# Altium PCB Thunder-Refix.PcbDoc
Units mil, origin at the board's own origin, x right, y up, seen from the top; angles counter-clockwise.
Board outline 1535.43 x 1299.21 mil, 2 copper layers (Top Layer, Bottom Layer), stack 42.17 mil thick; 71 components, 67 nets, 321 pads, 95 vias.
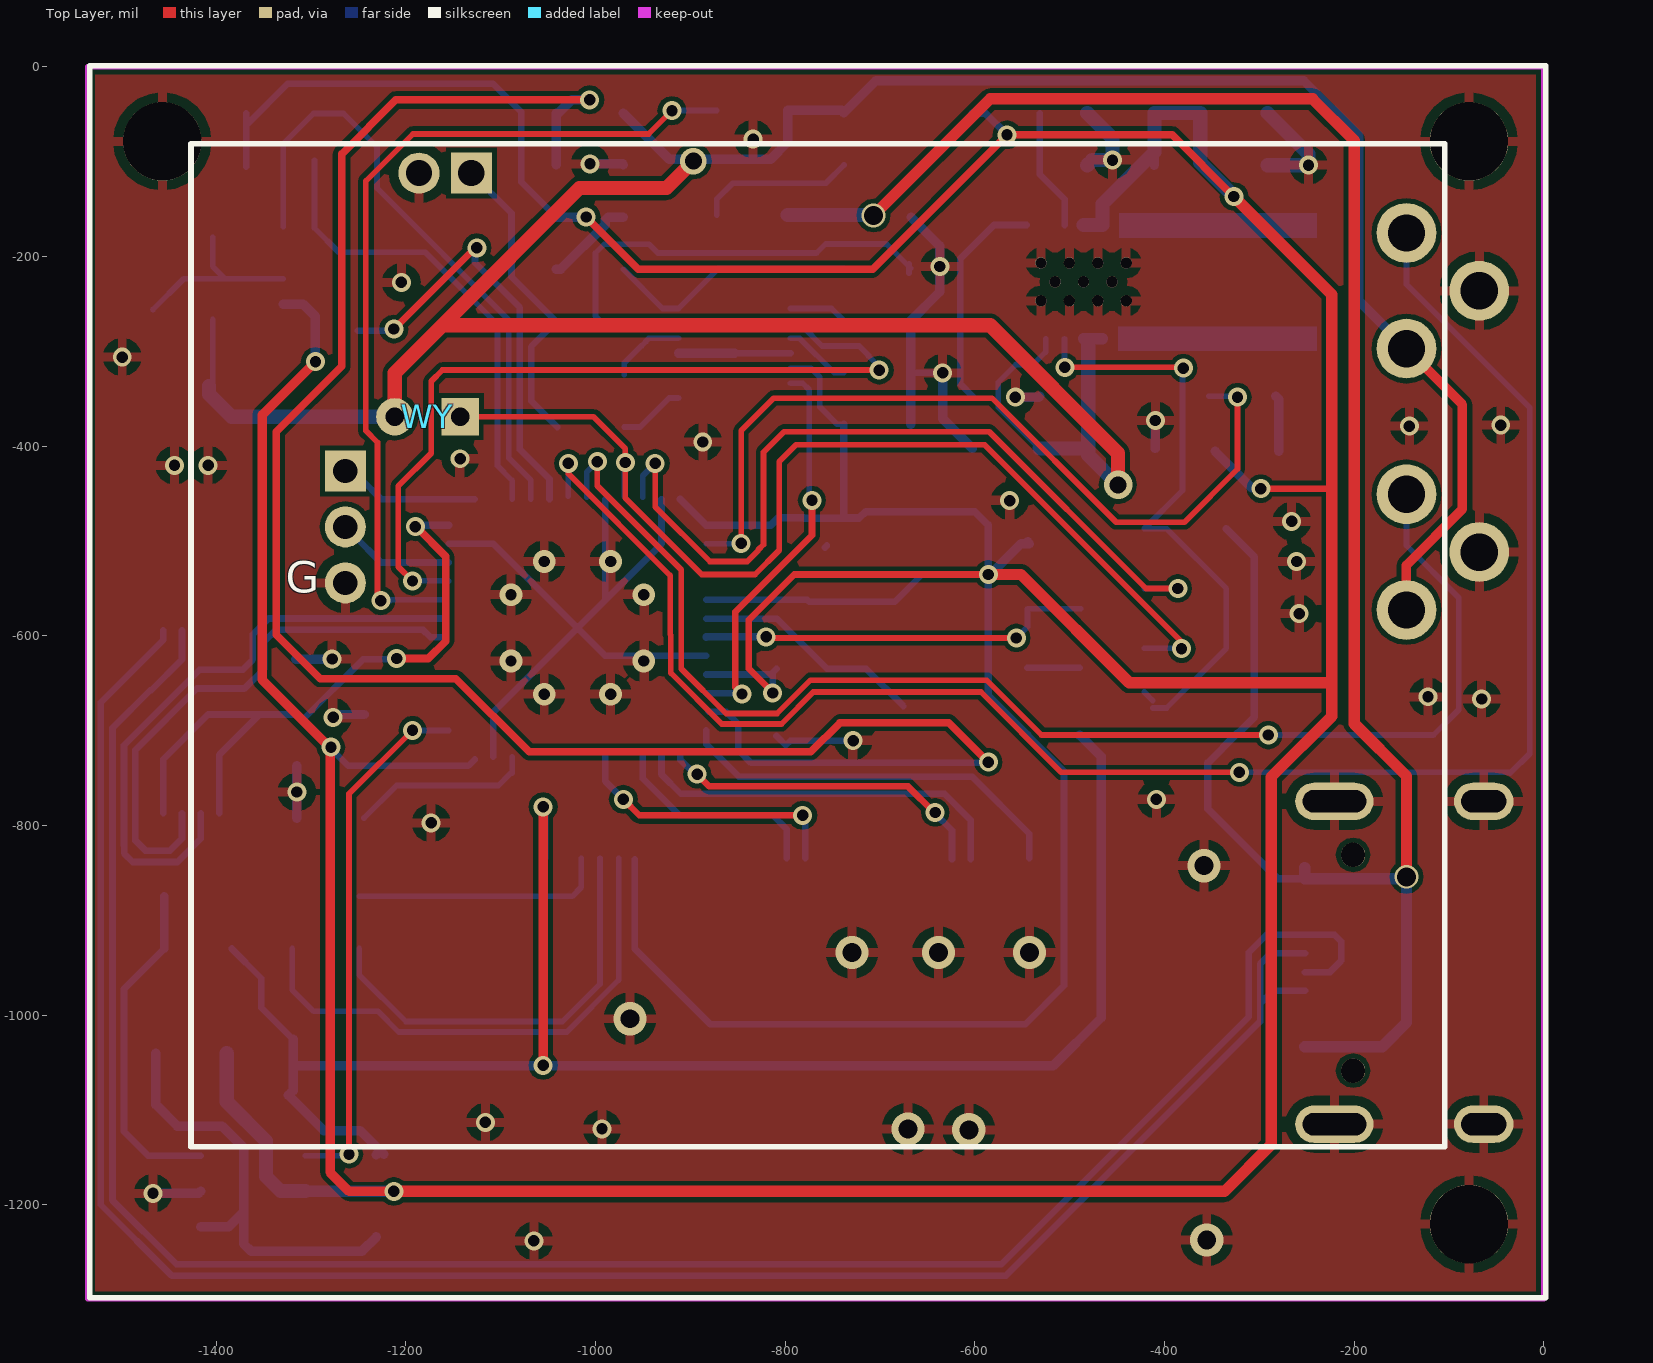
[diagram p0: Top Layer view]
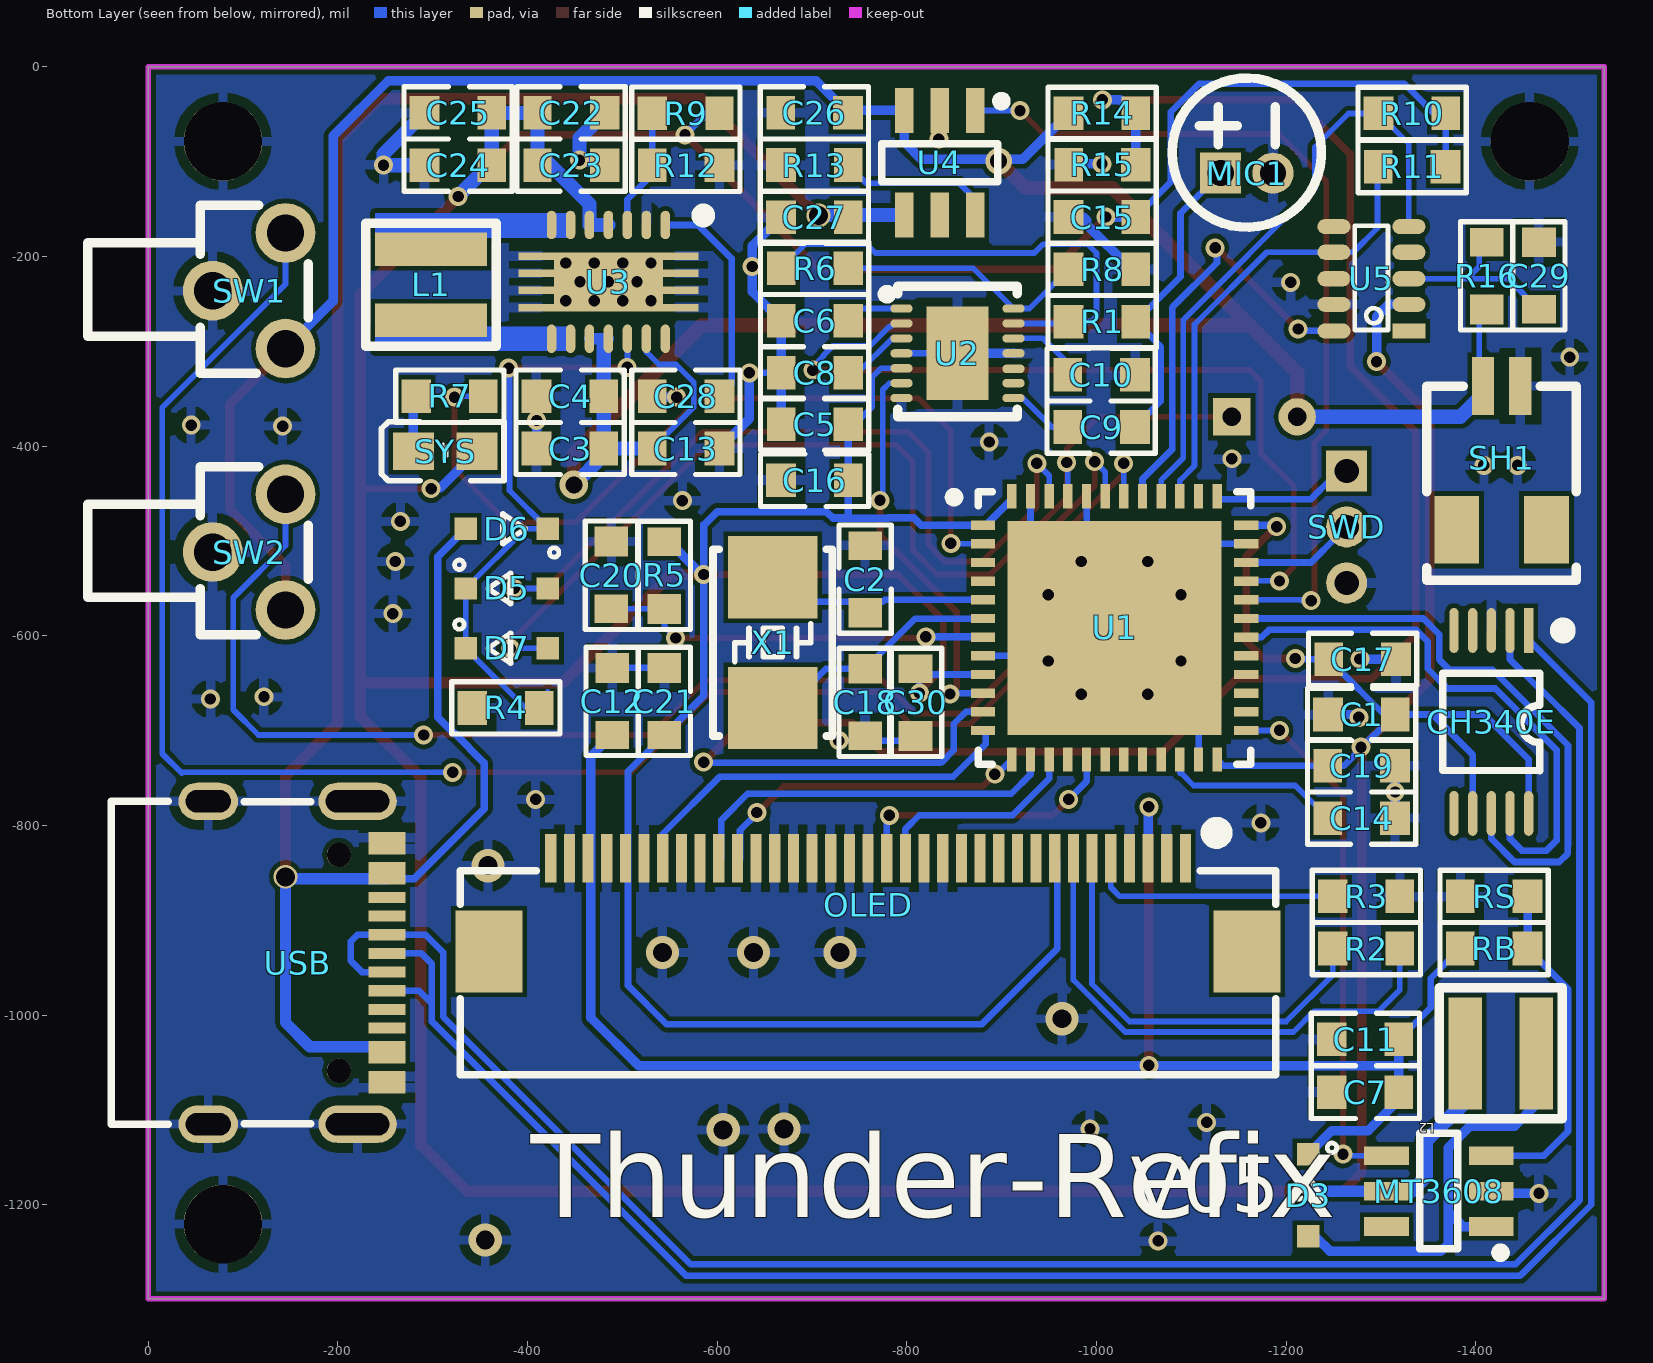
[diagram p1: Bottom Layer view, seen from below]
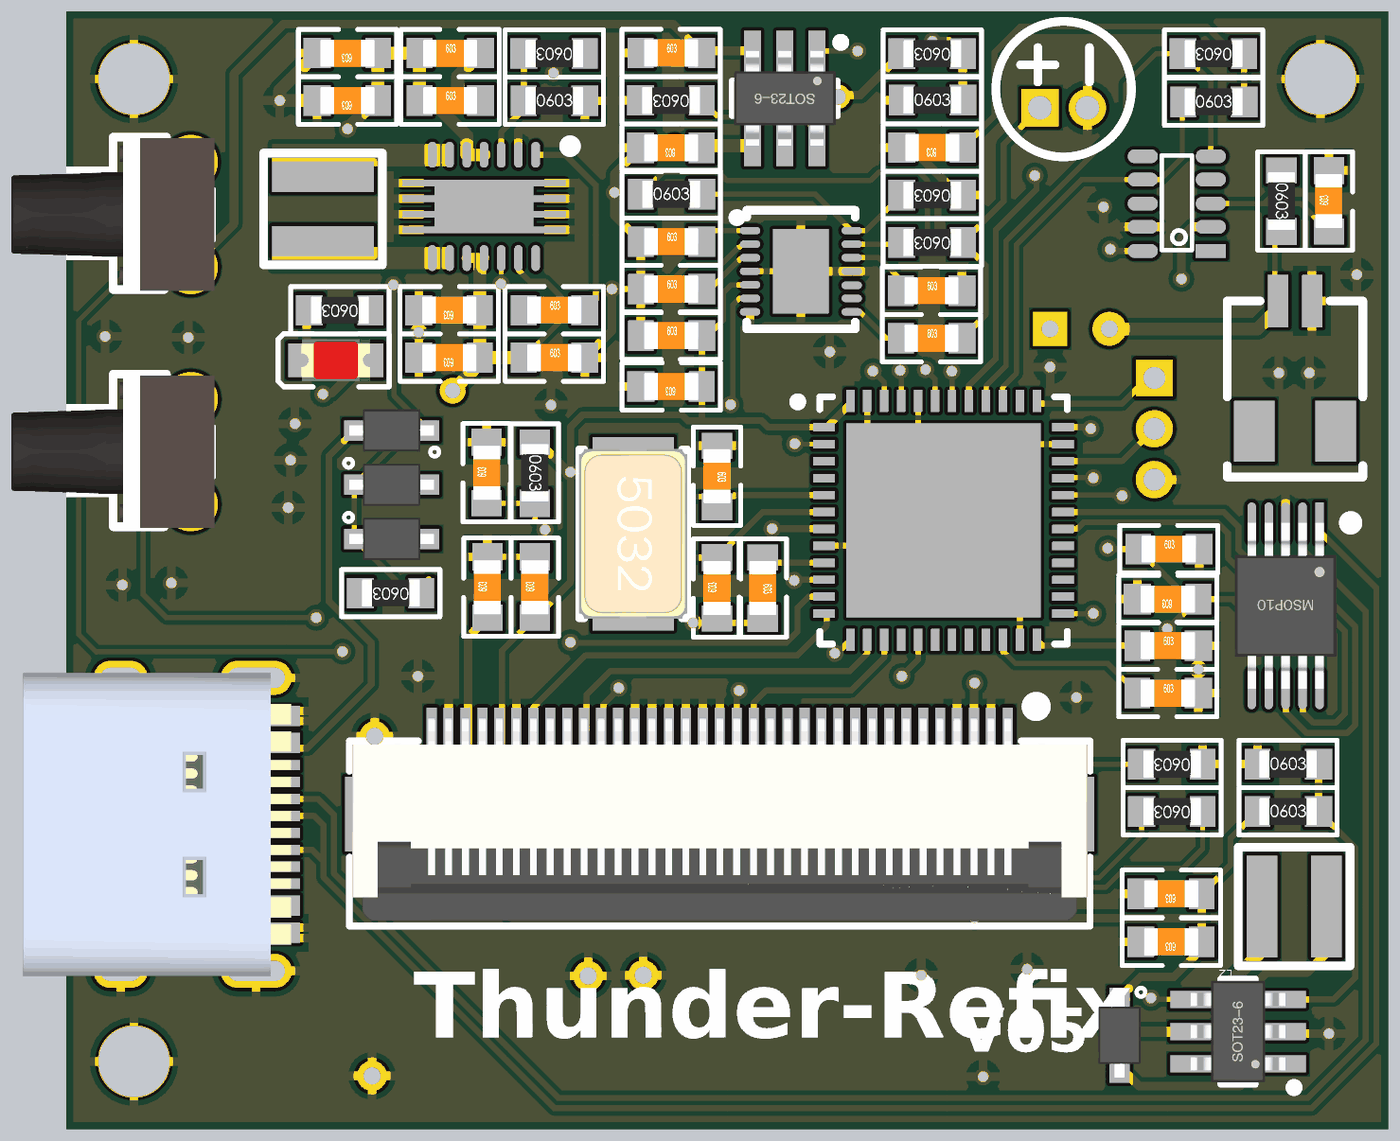
[diagram p2: 3D render of the assembled board from below, using the file's embedded part models]

## Layer stack, top to bottom
Top Solder: solder mask 0.4, Solder Resist, Dk 3.5
Top Layer: signal copper 1.4
Dielectric 1: dielectric 39.3701, FR-4, Dk 4.8
Bottom Layer: signal copper 1.4
Bottom Solder: solder mask 0.4, Solder Resist, Dk 3.5

## Board outline
-1535.43,-1299.21 -1535.43,0 0,0 0,-1299.21

## Design rules (kind name [scope] priority, off if disabled: settings)
Clearance [All] p1: gap=5 ignorepadtopadclearanceinfootprint=FALSE except(0: Arc-Hole Track-Hole SMDPad-Hole THPad-Hole Via-Hole Fill-Hole Poly-Hole Region-Hole Text-Hole)
ComponentClearance [All] p1 off: gap=10 collisioncheckmode=3 verticalgap=10 showdistances=FALSE
Height [All] p1 off: minheight=0 maxheight=1000 prefheight=500
PolygonConnect [All] p1: connectstyle=Relief reliefconductorwidth=10 reliefentries=4 polygonreliefangle="90 Angle" airgapwidth=10
RoutingVias [All] p1: holewidth=28 width=50 viastyle="Through Hole" minholewidth=28 minwidth=50 maxholewidth=28 maxwidth=50
SolderMaskExpansion [All] p1: expansion=4
Width [All] p1: maxlimit=40 minlimit=6 preferedwidth=10 bottomlayer_maxwidth=15 minimp=50.000000 maximp=50.000000 favimp=50.000000
28 further rules are at their usual default settings.

## Components (designator, comment, footprint, x,y, rotation, side; value= is the part's Value field where it differs from the comment)
C1 "104" 0603C -1279.48,-683.07 r0 bottom
C2 "20P" 0603C -755.91,-540.35 r270 bottom
C3 "106" 0603c -444.88,-402.56 r0 bottom
C4 "106" 0603c -444.88,-347.44 r0 bottom
C5 "220nF" 0603c -702.75,-376.96 r180 bottom
C6 "104" 0603c -702.75,-267.71 r180 bottom
C7 "104" 0603C -1283.45,-1081.44 r0 bottom
C8 "220nF" 0603c -702.75,-322.82 r180 bottom
C9 "104" 0603c -1004.92,-379.91 r180 bottom
C10 "470nF" 0603c -1004.92,-324.79 r180 bottom
C11 "4.7uF" 0603C -1283.46,-1025.59 r0 bottom
C12 "4.7uF" 0603C -489.17,-669.29 r90 bottom
C13 "106" 0603c -566.93,-402.56 r180 bottom
C14 "4.7u" 0603C -1279.44,-792.32 r180 bottom
C15 "104" 0603C -1005.91,-158.46 r0 bottom
C16 "104" 0603C -702.76,-436.02 r0 bottom
C17 "104" 0603C -1280.51,-625 r180 bottom
C18 "20P" 0603C -755.91,-670.28 r90 bottom
C19 "104" 0603C -1279.44,-737.2 r180 bottom
C20 "104" 0603C -488.33,-536.25 r90 bottom
C21 "105" 0603C -544.29,-669.29 r90 bottom
C22 "106" 0603C -445.87,-48.66 r180 bottom
C23 "22uf" 0603C -445.87,-103.77 r180 bottom
C24 "22uf" 0603C -326.77,-103.77 r0 bottom
C25 "104" 0603C -326.77,-48.66 r0 bottom
C26 "10uF" 0603c -702.5,-48.5 r180 bottom
C27 "1uF" 0603c -702.5,-158.74 r0 bottom
C28 "104" 0603c -566.93,-347.44 r180 bottom
C29 "106" 0603c -1466.54,-220.47 r90 bottom
C30 "104" 0603C -809.06,-670.28 r270 bottom
CH340E "CH340E" MSOP10_L -1416.3,-690.94 r0 bottom
D3 "SS14" SOD323_1N4148WS -1223.28,-1189.96 r270 bottom
D5 "1N4148WS" SOD323_1N4148WS -377.95,-550.2 r180 bottom
D6 "1N4148WS" SOD323_1N4148WS -377.95,-487.2 r0 bottom
D7 "1N4148WS" SOD323_1N4148WS -377.95,-613.19 r180 bottom
L1 "1.5uH" IND-SMD_L3.0-W3.0_NR3010 -298.23,-229.76 r90 bottom
L2 "22uH" IND-SMD_L3.0-W3.0_NR3010 -1426.18,-1040.35 r0 bottom
MIC1 "GMI4015P-2C-56DB" MIC-TH_BD4.0-P2.00-D0.4-L-FD -1158.46,-112.2 r180 bottom
MT3608 "MT3608" SOT23-6N -1361.03,-1185.69 r90 bottom
OLED "FPC1.0-35P" "1.69 OLED" -759.03,-883.86 r0 top
R1 "2.2K" 0603r -1005.9,-268.69 r0 bottom
R2 "10K" 0603R -1284.45,-929.86 r0 bottom
R3 "68K" 0603R -1284.45,-874.86 r0 bottom
R4 "1M" 0603r -376.97,-676.18 r0 bottom
R5 "10K" 0603R -544.29,-536.42 r270 bottom
R6 "0Ω" 0603r -702.75,-212.59 r180 bottom
R7 "3K" 0603R -317.91,-347.44 r0 bottom
R8 "100K" 0603r -1005.9,-213.57 r0 bottom
R9 "1M" 0603R -566.93,-49.02 r0 bottom
R10 "4.7K" 0603R -1332.68,-49.21 r0 bottom
R11 "4.7K" 0603R -1332.68,-105.32 r180 bottom
R12 "180K" 0603r -566.93,-103.95 r180 bottom
R13 "2K" 0603r -702.5,-103.62 r0 bottom
R14 "50K" 0603r -1005.91,-49.21 r0 bottom
R15 "50K" 0603r -1005.89,-103.3 r180 bottom
R16 "100R" 0603r -1411.42,-220.47 r270 bottom
RB "150K" 0603R -1419.14,-929.86 r180 bottom
RS "6.8K" 0603R -1419.14,-874.86 r180 bottom
SH1 "SH1.0-2P" SH1.0 -1427.17,-412.4 r180 bottom
SW1 "K2-1109DE-H4SW-04" KEY-TH_K2-1109DE-CXXW-XX -106.3,-236.22 r270 bottom
SW2 "K2-1109DE-H4SW-04" KEY-TH_K2-1109DE-CXXW-XX -106.3,-511.81 r270 bottom
SWD "HDR-1X3" ZH1.5-LI-3P -1263.78,-485.24 r270 bottom
SYS "粉色" 0603LED -312.99,-405.51 r0 bottom
U1 "STM32F401CCU6" qfn48 -1018.98,-591.71 r270 bottom
U2 "MAX9814ETD+T" TDFN-14_L3.0-W3.0-P0.40-BL-EP -853.34,-302.16 r270 bottom
U3 "TPS63020" TPS63020 -485.24,-226.8 r0 bottom
U4 "TP4059" SOT23-6N -834.58,-101.18 r0 bottom
U5 "RX8900CE" RX8130 -1352.36,-152.56 r0 bottom
USB "Type-C" Type-C -157.48,-944.88 r0 bottom
WY "HDR-1X2" "MX 1.25-WI-2P" -1167.32,-369.09 r180 top
X1 "1.6.1.01.005.001" "OSC 5032-2P" -658.46,-607.28 r270 bottom value=8MHz

## Footprints (in the part's own frame and the unit in brackets; to place one, negate y for a bottom-side part, rotate by r counter-clockwise, add the part's x,y. Pads: shape width x height; smd on the part's side, far side on the other; paste and mask are expansions set on the pad)
"1.69 OLED" [mm]
  rect 1.8x2.2 smd far side: 0(-10.15,-1.248) 0(10.15,-1.248)
  rect 0.3x1.3 smd far side: 1(-8.5,1.248) 2(-8,1.248) 3(-7.5,1.248) 4(-7,1.248) 5(-6.5,1.248) 6(-6,1.248) 7(-5.5,1.248) 8(-5,1.248) 9(-4.5,1.248) 10(-4,1.248) 11(-3.5,1.248) 12(-3,1.248) 13(-2.5,1.248) 14(-2,1.248) 15(-1.5,1.248) 16(-1,1.248) 17(-0.5,1.248) 18(0,1.248) 19(0.5,1.248) 20(1,1.248) 21(1.5,1.248) 22(2,1.248) 23(2.5,1.248) 24(3,1.248) 25(3.5,1.248) 26(4,1.248) 27(4.5,1.248) 28(5,1.248) 29(5.5,1.248) 30(6,1.248) 31(6.5,1.248) 32(7,1.248) 33(7.5,1.248) 34(8,1.248) 35(8.5,1.248)
  silkscreen extent -19.66,-10.52 19.34,22.48, body extent -10.85,-4.4 10.85,1.6, height 2
0603C [mm]
  rect 0.762x0.9 smd: 1(-0.9,0)
  rect 0.8x0.9 smd: 2(0.9,0)
  silkscreen extent -1.45,-0.7 1.45,0.7, body extent -0.8,-0.4 0.8,0.4, height 0.3
0603c [mm]
  rect 0.762x0.9 smd: 1(-0.9,0)
  rect 0.8x0.9 smd: 2(0.9,0)
  silkscreen extent -1.45,-0.7 1.45,0.7, body extent -0.8,-0.4 0.8,0.4, height 0.3
0603LED [mm]
  rect 1.1x1 smd: 1(-0.85,0) 2(0.85,0)
  silkscreen extent -1.57,-0.79 1.7,0.79, body extent -1.01,-0.62 1.01,0.63, height 1.1
0603r [mm]
  rect 0.762x0.9 smd: 1(-0.9,0)
  rect 0.8x0.9 smd: 2(0.9,0)
  silkscreen extent -1.45,-0.7 1.45,0.7, body extent -0.85,-0.4 0.85,0.4, height 0.56
0603R [mm]
  rect 0.762x0.9 smd: 1(-0.9,0)
  rect 0.8x0.9 smd: 2(0.9,0)
  silkscreen extent -1.45,-0.7 1.45,0.7, body extent -0.85,-0.4 0.85,0.4, height 0.56
IND-SMD_L3.0-W3.0_NR3010 [mm]
  rect 0.9x3 smd: 1(-0.95,0) 2(0.95,0)
  silkscreen extent -1.65,-1.75 1.65,1.75
KEY-TH_K2-1109DE-CXXW-XX [mm]
  round 1.6 hole 1: 1(-1.549,0.975) 2(1.549,0.975) 3(0,-0.975)
  silkscreen extent -2.29,-4.32 2.21,1.59, body extent -2.25,-4.32 2.25,1.68, height 4.59
MIC-TH_BD4.0-P2.00-D0.4-L-FD [mm]
  rect 1.1x1.1 hole 0.7: 1(-0.7,0)
  round 1.1 hole 0.7: 2(0.7,0)
  silkscreen extent -2,-1.45 2,2.55
MSOP10_L [mm] "塑封体长3mm，宽3mm，脚距0.5"
  rect 0.25x1.2 smd: 1(-1,-2.45)
  oval 0.25x1.2 smd: 2(-0.5,-2.45) 3(0,-2.45) 4(0.5,-2.45) 5(1,-2.45) 6(1,2.45) 7(0.5,2.45) 8(0,2.45) 9(-0.5,2.45) 10(-1,2.45)
  silkscreen extent -2.07,-2.6 1.3,1.3, body extent -1.5,-2.45 1.5,2.45, height 0.95
"MX 1.25-WI-2P" [mm] "长：4.25mm，宽：1.8mm，高：3.3mm"
  rect 1x1 hole 0.5: 1(-0.625,0)
  round 1 hole 0.5: 2(1.125,0)
"OSC 5032-2P" [mm] "5mm*3.2mm*0.8mm(长*宽*高)"
  rect 2.2x2.4 smd: 1(-1.75,0) 2(1.75,0)
  silkscreen extent -2.5,-1.6 2.5,1.6, body extent -2.5,-1.6 2.5,1.6, height 0.86
qfn48 [mm] "QFN, 48-Leads, Body 7.00x7.00mm, Pitch 0.50mm, Thermal Pad 5.73x5.73mm, IPC Medium Density"
  rect 0.25x0.65 smd: 1(-2.75,-3.525) 2(-2.25,-3.525) 3(-1.75,-3.525) 4(-1.25,-3.525) 5(-0.75,-3.525) 6(-0.25,-3.525) 7(0.25,-3.525) 8(0.75,-3.525) 9(1.25,-3.525) 10(1.75,-3.525) 11(2.25,-3.525) 12(2.75,-3.525) 25(2.75,3.525) 26(2.25,3.525) 27(1.75,3.525) 28(1.25,3.525) 29(0.75,3.525) 30(0.25,3.525) 31(-0.25,3.525) 32(-0.75,3.525) 33(-1.25,3.525) 34(-1.75,3.525) 35(-2.25,3.525) 36(-2.75,3.525)
  rect 0.65x0.25 smd: 13(3.525,-2.75) 14(3.525,-2.25) 15(3.525,-1.75) 16(3.525,-1.25) 17(3.525,-0.75) 18(3.525,-0.25) 19(3.525,0.25) 20(3.525,0.75) 21(3.525,1.25) 22(3.525,1.75) 23(3.525,2.25) 24(3.525,2.75) 37(-3.525,2.75) 38(-3.525,2.25) 39(-3.525,1.75) 40(-3.525,1.25) 41(-3.525,0.75) 42(-3.525,0.25) 43(-3.525,-0.25) 44(-3.525,-0.75) 45(-3.525,-1.25) 46(-3.525,-1.75) 47(-3.525,-2.25) 48(-3.525,-2.75)
  rect 5.73x5.73 smd: 49(0,0)
  silkscreen extent -3.65,-4.43 3.65,3.65, body extent -3.44,-3.5 3.56,3.5, height 1
RX8130 [mil]
  rect 35x16 smd: 1(23,126)
  oval 35x16 smd: 2(23,98) 3(23,71) 4(23,43) 5(23,16) 6(102,16) 7(102,43) 8(102,71) 9(102,98) 10(102,126)
  silkscreen extent 45,15 80,125
SH1.0 [mm]
  rect 0.6x1.55 smd: 1(-0.498,1.924) 2(0.501,1.924)
  rect 1.2x1.8 smd: 3(1.201,-1.924) 4(-1.201,-1.924)
  silkscreen extent -2,-3.27 2,1.92
SOD323_1N4148WS [mm]
  rect 0.6x0.6 smd: A(1.1,0) C(-1.1,0)
  silkscreen extent -1.4,-0.4 0.1,0.76, body extent -1.25,-0.62 1.25,0.63, height 0.9
SOT23-6N [mm] "3x1.6x1.1mm(长宽高)"
  rect 0.5x1.2 smd: 1(-0.95,-1.4) 2(0,-1.4) 3(0.95,-1.4) 4(0.95,1.4) 5(0,1.4) 6(-0.95,1.4)
  silkscreen extent -1.78,-1.78 1.55,0.51, body extent -1.5,-1.4 1.5,1.4, height 1.15
TDFN-14_L3.0-W3.0-P0.40-BL-EP [mm]
  oval 0.22x0.6 smd: 1(-1.2,-1.5) 2(-0.8,-1.5) 3(-0.4,-1.5) 4(0.001,-1.5) 5(0.4,-1.5) 6(0.8,-1.5) 7(1.2,-1.5) 8(1.2,1.5) 9(0.8,1.5) 10(0.416,1.5) 11(0,1.5) 12(-0.4,1.5) 13(-0.8,1.5) 14(-1.2,1.5)
  rect 2.5x1.65 smd: 15(0,0)
  silkscreen extent -1.8,-2.01 1.7,1.6
TPS63020 [mil] "High Efficiency Single Inductor Buck-Boost Converter With 4-A Switches"
  oval 10x30 smd: 1(-60,-60) 2(-40,-60) 3(-20,-60) 4(0,-60) 5(20,-60) 6(40,-60) 7(60,-60) 8(60,60) 9(40,60) 10(20,60) 11(0,60) 12(-20,60) 13(-40,60) 14(-60,60)
  rect 50x7.87 smd: 15(-70,-27.17) 15(-70,-9.06) 15(-70,9.06) 15(-70,27.17) 15(70,-27.17) 15(70,-9.06) 15(70,9.06) 15(70,27.17)
  round 11.81 hole 11.81: 15(-45,-20) 15(-45,20) 15(-30,0) 15(-15,-20) 15(-15,20) 15(0,0) 15(15,-20) 15(15,20) 15(30,0) 15(45,-20) 15(45,20)
  rect 115x62.2 smd: 15(0,0)
  silkscreen extent -105,-75 -95,-65, body extent -85,-65 85,65, height 30
Type-C [mm]
  round 0.65 hole 0.65: 0(-1.105,-2.89) 0(-1.105,2.89)
  oval 1.6x1 hole 0.6 slot 1.2 at 0 deg: 1(2.395,4.325) 2(2.395,-4.325)
  oval 2.1x1 hole 0.6 slot 1.7 at 0 deg: 3(-1.605,-4.325) 4(-1.605,4.325)
  rect 1x0.3 smd: A1(-2.395,-3.35) A4(-2.395,-2.55) A5(-2.395,-1.25) A6(-2.395,-0.25) A7(-2.395,0.25) A8(-2.395,1.25) A9(-2.395,2.55) A12(-2.395,3.35) B1(-2.395,3.05) B4(-2.395,2.25) B5(-2.395,1.75) B6(-2.395,0.75) B7(-2.395,-0.75) B8(-2.395,-1.75) B9(-2.395,-2.25) B12(-2.395,-3.05)
  silkscreen extent -0.34,-4.33 4.99,4.33, body extent -2.63,-4.47 5.27,4.47, height 3.21
ZH1.5-LI-3P [mm] "长：6.0，宽：3.65，高：4.55"
  rect 1.1x1.1 hole 0.65: 1(-1.5,0)
  round 1.1 hole 0.65: 2(0,0) 3(1.5,0)
